# Altium PCB LimeSDR_1v2s.PcbDoc (part 8 of 9) (continued)
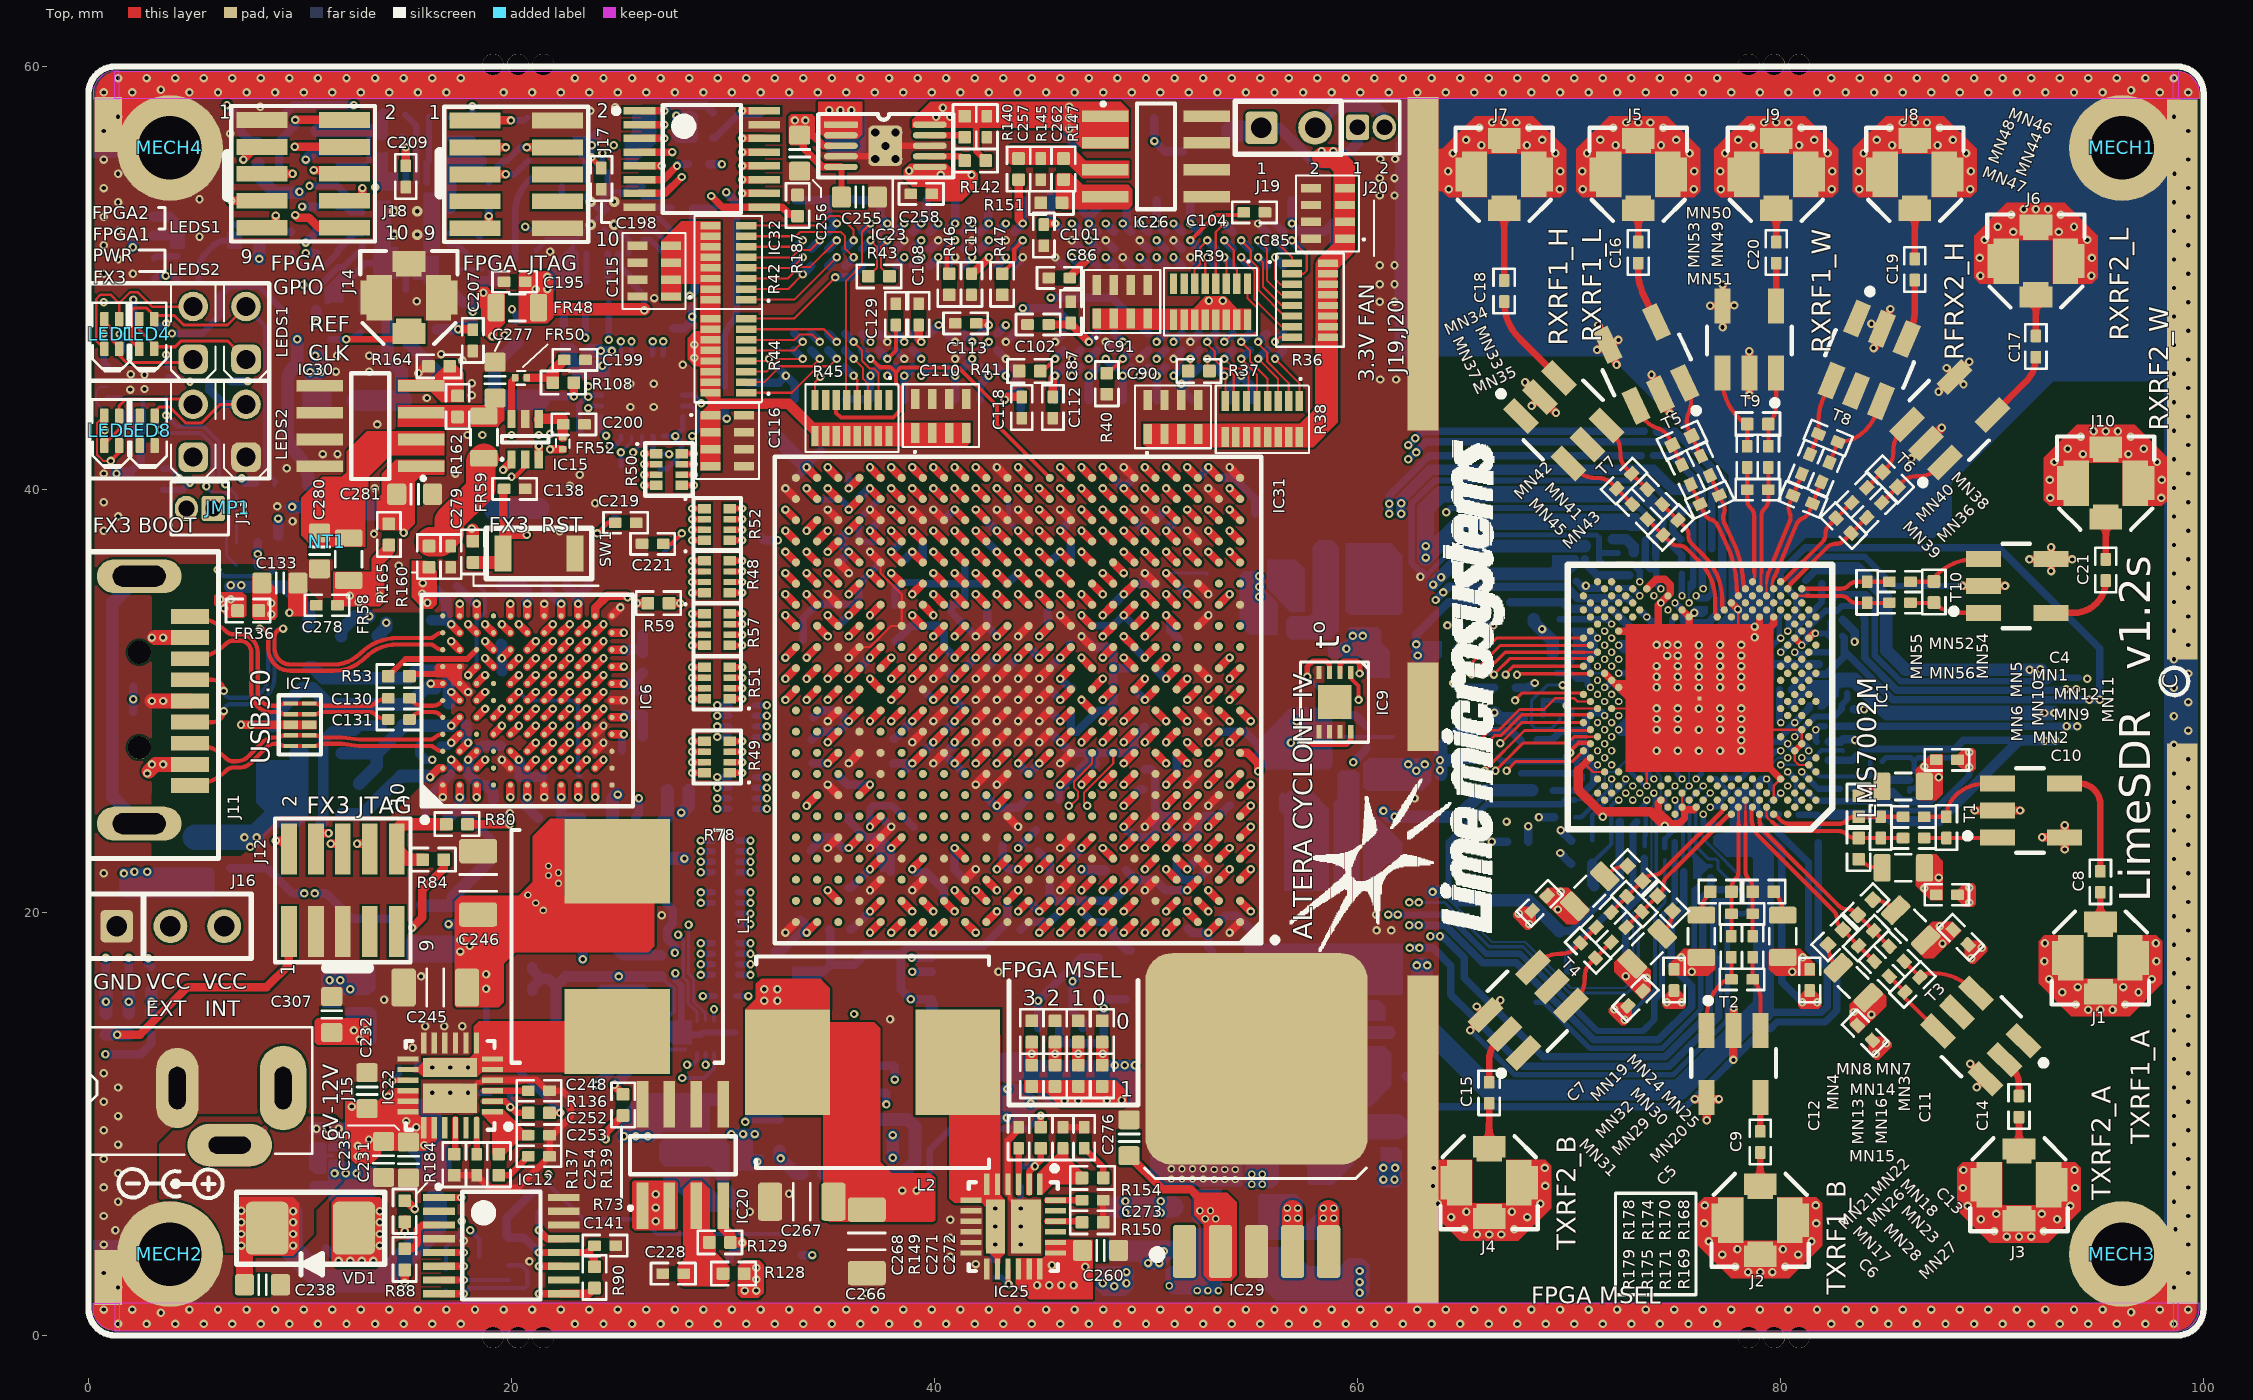
[diagram p0: Top view]
## Nets (pads, with @x,y where several pads share a name; then routed paths per layer and width w, separated by ;. In a path a pad name is that pad's centre, name@x,y a point inside that pad or via, vN(x,y) a via of type N, cw(c..) or ccw(c..) an arc to the next point about the centre after c; other vN are vias at no path point) (continued)
copper on no net: | length 13638.3
  Top w0.025: 122.19,-10.148 188.4,56.062 ; 122.19,-8.624 186.876,56.062 ; 122.19,-7.1 185.352,56.062 ; 122.19,-5.576 183.828,56.062 ; 122.19,-4.052 182.304,56.062 ; 122.19,-2.528 180.78,56.062 ; 122.19,-1.004 179.256,56.062 ; 122.19,0.52 177.732,56.062 ; 122.19,2.044 176.208,56.062 ; 122.19,3.568 174.684,56.062 ; 122.19,5.092 173.16,56.062 ; 122.19,6.616 171.636,56.062 ; 122.19,8.14 170.112,56.062 ; 122.19,9.664 168.588,56.062 ; 122.19,11.188 167.064,56.062 ; 122.19,12.712 165.54,56.062 ; 122.19,14.236 164.016,56.062 ; 122.19,15.76 162.492,56.062 ; 122.19,17.284 160.968,56.062 ; 122.19,18.808 159.444,56.062 ; 122.19,20.332 157.92,56.062 ; 122.19,21.856 156.396,56.062 ; 122.19,23.38 154.872,56.062 ; 122.19,24.904 153.348,56.062 ; 122.19,26.428 151.824,56.062 ; 122.19,27.952 150.3,56.062 ; 122.19,29.476 148.776,56.062 ; 122.19,31 147.252,56.062 ; 122.19,32.524 145.728,56.062 ; 122.19,34.048 144.204,56.062 ; 122.19,35.572 142.68,56.062 ; 122.19,37.096 141.156,56.062 ; 122.19,38.62 139.632,56.062 ; 122.19,40.144 138.108,56.062 ; 122.19,41.668 136.584,56.062 ; 122.19,43.192 135.06,56.062 ; 122.19,44.716 133.536,56.062 ; 122.19,46.24 132.012,56.062 ; 122.19,47.764 130.488,56.062 ; 122.19,49.288 128.964,56.062 ; 122.19,50.812 127.44,56.062 ; 122.19,52.336 125.916,56.062 ; 122.19,53.86 124.392,56.062 ; 122.366,-11.496 189.924,56.062 ; 123.213,-12.173 191.448,56.062 ; 124.687,-12.223 192.972,56.062 ; 126.211,-12.223 194.496,56.062 ; 127.735,-12.223 196.02,56.062 ; 129.259,-12.223 197.544,56.062 ; 130.783,-12.223 199.068,56.062 ; 132.307,-12.223 200.592,56.062 ; 133.831,-12.223 202.116,56.062 ; 135.355,-12.223 203.64,56.062 ; 136.879,-12.223 205.164,56.062 ; 138.403,-12.223 206.688,56.062 ; 139.927,-12.223 208.212,56.062 ; 141.451,-12.223 209.736,56.062 ; 142.975,-12.223 211.26,56.062 ; 144.499,-12.223 212.784,56.062 ; 146.023,-12.223 214.308,56.062 ; 147.547,-12.223 215.832,56.062 ; 149.071,-12.223 217.356,56.062 ; 150.595,-12.223 218.88,56.062 ; 152.119,-12.223 220.404,56.062 ; 153.643,-12.223 221.928,56.062 ; 155.167,-12.223 223.452,56.062 ; 156.691,-12.223 224.976,56.062 ; 158.215,-12.223 226.5,56.062 ; 159.739,-12.223 228.024,56.062 ; 161.263,-12.223 229.548,56.062 ; 162.787,-12.223 231.072,56.062 ; 164.311,-12.223 232.596,56.062 ; 165.835,-12.223 234.12,56.062 ; 167.359,-12.223 235.367,55.785 ; 168.883,-12.223 235.938,54.831 ; 170.407,-12.223 235.953,53.322 ; 171.931,-12.223 235.953,51.798 ; 173.455,-12.223 235.953,50.274 ; 174.979,-12.223 235.953,48.75 ; 176.503,-12.223 235.953,47.226 ; 178.027,-12.223 235.953,45.702 ; 179.551,-12.223 235.953,44.178 ; 181.075,-12.223 235.953,42.654 ; 182.599,-12.223 235.953,41.13 ; 184.123,-12.223 235.953,39.606 ; 185.647,-12.223 235.953,38.082 ; 187.171,-12.223 235.953,36.558 ; 188.695,-12.223 235.953,35.034 ; 190.219,-12.223 235.953,33.51 ; 191.743,-12.223 235.953,31.986 ; 193.267,-12.223 235.953,30.462 ; 194.791,-12.223 235.953,28.938 ; 196.315,-12.223 235.953,27.414 ; 197.839,-12.223 235.953,25.89 ; 199.363,-12.223 235.953,24.366 ; 200.887,-12.223 235.953,22.842 ; 202.411,-12.223 235.953,21.318 ; 203.935,-12.223 235.953,19.794 ; 205.459,-12.223 235.953,18.27 ; 206.983,-12.223 235.953,16.746 ; 207.513,57.326 210.045,59.858 213.093,62.906 216.141,65.954 219.189,69.002 222.237,72.05 225.285,75.098 228.333,78.146 231.381,81.194 234.429,84.242 235.953,85.766 ; 207.513,58.85 208.521,59.858 211.569,62.906 214.617,65.954 217.665,69.002 220.713,72.05 223.761,75.098 226.809,78.146 229.857,81.194 232.905,84.242 235.953,87.29 ; 207.513,60.374 210.045,62.906 213.093,65.954 216.141,69.002 219.189,72.05 222.237,75.098 225.285,78.146 228.333,81.194 231.381,84.242 234.429,87.29 235.953,88.814 ; 207.513,61.898 208.521,62.906 211.569,65.954 214.617,69.002 217.665,72.05 220.713,75.098 223.761,78.146 226.809,81.194 229.857,84.242 232.905,87.29 235.953,90.338 ; 207.513,63.422 210.045,65.954 213.093,69.002 216.141,72.05 219.189,75.098 222.237,78.146 225.285,81.194 228.333,84.242 231.381,87.29 234.429,90.338 235.953,91.862 ; 207.513,64.946 208.521,65.954 211.569,69.002 214.617,72.05 217.665,75.098 220.713,78.146 223.761,81.194 226.809,84.242 229.857,87.29 232.905,90.338 235.953,93.386 ; 207.513,66.47 210.045,69.002 213.093,72.05 216.141,75.098 219.189,78.146 222.237,81.194 225.285,84.242 228.333,87.29 231.381,90.338 234.429,93.386 235.953,94.91 ; 207.513,67.994 208.521,69.002 211.569,72.05 214.617,75.098 217.665,78.146 220.713,81.194 223.761,84.242 226.809,87.29 229.857,90.338 232.905,93.386 235.953,96.434 ; 207.513,69.518 210.045,72.05 213.093,75.098 216.141,78.146 219.189,81.194 222.237,84.242 225.285,87.29 228.333,90.338 231.381,93.386 234.429,96.434 235.953,97.958 ; 207.513,71.042 208.521,72.05 211.569,75.098 214.617,78.146 217.665,81.194 220.713,84.242 223.761,87.29 226.809,90.338 229.857,93.386 232.905,96.434 235.953,99.482 ; 207.513,72.566 210.045,75.098 213.093,78.146 216.141,81.194 219.189,84.242 222.237,87.29 225.285,90.338 228.333,93.386 231.381,96.434 234.429,99.482 235.953,101.006 ; 207.513,74.09 208.521,75.098 211.569,78.146 214.617,81.194 217.665,84.242 220.713,87.29 223.761,90.338 226.809,93.386 229.857,96.434 232.905,99.482 235.953,102.53 ; 207.513,75.614 210.045,78.146 213.093,81.194 216.141,84.242 219.189,87.29 222.237,90.338 225.285,93.386 228.333,96.434 231.381,99.482 234.429,102.53 235.953,104.054 ; 207.513,77.138 208.521,78.146 211.569,81.194 214.617,84.242 217.665,87.29 220.713,90.338 223.761,93.386 226.809,96.434 229.857,99.482 232.905,102.53 235.953,105.578 ; 207.513,78.662 210.045,81.194 213.093,84.242 216.141,87.29 219.189,90.338 222.237,93.386 225.285,96.434 228.333,99.482 231.381,102.53 234.429,105.578 235.953,107.102 ; 207.513,80.186 208.521,81.194 211.569,84.242 214.617,87.29 217.665,90.338 220.713,93.386 223.761,96.434 226.809,99.482 229.857,102.53 232.905,105.578 235.953,108.626 ; 207.513,81.71 210.045,84.242 213.093,87.29 216.141,90.338 219.189,93.386 222.237,96.434 225.285,99.482 228.333,102.53 231.381,105.578 234.429,108.626 235.953,110.15 ; 207.513,83.234 208.521,84.242 211.569,87.29 214.617,90.338 217.665,93.386 220.713,96.434 223.761,99.482 226.809,102.53 229.857,105.578 232.905,108.626 235.953,111.674 ; 207.513,84.758 210.045,87.29 213.093,90.338 216.141,93.386 219.189,96.434 222.237,99.482 225.285,102.53 228.333,105.578 231.381,108.626 234.429,111.674 235.953,113.198 ; 207.513,86.282 208.521,87.29 211.569,90.338 214.617,93.386 217.665,96.434 220.713,99.482 223.761,102.53 226.809,105.578 229.857,108.626 232.905,111.674 235.953,114.722 ; 207.513,87.806 210.045,90.338 213.093,93.386 216.141,96.434 219.189,99.482 222.237,102.53 225.285,105.578 228.333,108.626 231.381,111.674 234.429,114.722 235.953,116.246 ; 207.513,89.33 208.521,90.338 211.569,93.386 214.617,96.434 217.665,99.482 220.713,102.53 223.761,105.578 226.809,108.626 229.857,111.674 232.905,114.722 235.953,117.77 ; 207.513,90.854 210.045,93.386 213.093,96.434 216.141,99.482 219.189,102.53 222.237,105.578 225.285,108.626 228.333,111.674 231.381,114.722 234.429,117.77 235.953,119.294 ; 207.513,92.378 208.521,93.386 211.569,96.434 214.617,99.482 217.665,102.53 220.713,105.578 223.761,108.626 226.809,111.674 229.857,114.722 232.905,117.77 235.953,120.818 ; 207.513,93.902 210.045,96.434 213.093,99.482 216.141,102.53 219.189,105.578 222.237,108.626 225.285,111.674 228.333,114.722 231.381,117.77 234.429,120.818 235.953,122.342 ; 207.513,95.426 208.521,96.434 211.569,99.482 214.617,102.53 217.665,105.578 220.713,108.626 223.761,111.674 226.809,114.722 229.857,117.77 232.905,120.818 235.953,123.866 ; 207.513,96.95 210.045,99.482 213.093,102.53 216.141,105.578 219.189,108.626 222.237,111.674 225.285,114.722 228.333,117.77 231.381,120.818 234.429,123.866 235.953,125.39 ; 207.513,98.474 208.521,99.482 211.569,102.53 214.617,105.578 217.665,108.626 220.713,111.674 223.761,114.722 226.809,117.77 229.857,120.818 232.905,123.866 235.953,126.914 ; 207.513,99.998 210.045,102.53 213.093,105.578 216.141,108.626 219.189,111.674 222.237,114.722 225.285,117.77 228.333,120.818 231.381,123.866 234.429,126.914 235.953,128.438 ; 207.513,101.522 208.521,102.53 211.569,105.578 214.617,108.626 217.665,111.674 220.713,114.722 223.761,117.77 226.809,120.818 229.857,123.866 232.905,126.914 235.953,129.962 ; 207.513,103.046 210.045,105.578 213.093,108.626 216.141,111.674 219.189,114.722 222.237,117.77 225.285,120.818 228.333,123.866 231.381,126.914 234.429,129.962 235.953,131.486 ; 207.513,104.57 208.521,105.578 211.569,108.626 214.617,111.674 217.665,114.722 220.713,117.77 223.761,120.818 226.809,123.866 229.857,126.914 232.905,129.962 235.953,133.01 ; 207.513,106.094 210.045,108.626 213.093,111.674 216.141,114.722 219.189,117.77 222.237,120.818 225.285,123.866 228.333,126.914 231.381,129.962 234.429,133.01 235.953,134.534 ; 207.513,107.618 208.521,108.626 211.569,111.674 214.617,114.722 217.665,117.77 220.713,120.818 223.761,123.866 226.809,126.914 229.857,129.962 232.905,133.01 235.953,136.058 ; 207.513,109.142 210.045,111.674 213.093,114.722 216.141,117.77 219.189,120.818 222.237,123.866 225.285,126.914 228.333,129.962 231.381,133.01 234.429,136.058 235.953,137.582 ; 207.513,110.666 208.521,111.674 211.569,114.722 214.617,117.77 217.665,120.818 220.713,123.866 223.761,126.914 226.809,129.962 229.857,133.01 232.905,136.058 235.953,139.106 ; 207.513,112.19 210.045,114.722 213.093,117.77 216.141,120.818 219.189,123.866 222.237,126.914 225.285,129.962 228.333,133.01 231.381,136.058 234.429,139.106 ; 207.513,113.714 208.521,114.722 211.569,117.77 214.617,120.818 217.665,123.866 220.713,126.914 223.761,129.962 226.809,133.01 229.857,136.058 232.905,139.106 ; 207.513,115.238 210.045,117.77 213.093,120.818 216.141,123.866 219.189,126.914 222.237,129.962 225.285,133.01 228.333,136.058 231.381,139.106 ; 207.513,116.762 208.521,117.77 211.569,120.818 214.617,123.866 217.665,126.914 220.713,129.962 223.761,133.01 226.809,136.058 229.857,139.106 ; 207.513,118.286 210.045,120.818 213.093,123.866 216.141,126.914 219.189,129.962 222.237,133.01 225.285,136.058 228.333,139.106 ; 207.513,119.81 208.521,120.818 211.569,123.866 214.617,126.914 217.665,129.962 220.713,133.01 223.761,136.058 226.809,139.106 ; 207.513,121.334 210.045,123.866 213.093,126.914 216.141,129.962 219.189,133.01 222.237,136.058 225.285,139.106 ; 207.513,122.858 208.521,123.866 211.569,126.914 214.617,129.962 217.665,133.01 220.713,136.058 223.761,139.106 ; 207.513,124.382 210.045,126.914 213.093,129.962 216.141,133.01 219.189,136.058 222.237,139.106 ; 207.513,125.906 208.521,126.914 211.569,129.962 214.617,133.01 217.665,136.058 220.713,139.106 ; 207.513,127.43 210.045,129.962 213.093,133.01 216.141,136.058 219.189,139.106 ; 207.513,128.954 208.521,129.962 211.569,133.01 214.617,136.058 217.665,139.106 ; 207.513,130.478 210.045,133.01 213.093,136.058 216.141,139.106 ; 207.513,132.002 208.521,133.01 211.569,136.058 214.617,139.106 ; 207.513,133.526 210.045,136.058 213.093,139.106 ; 207.513,135.05 208.521,136.058 211.569,139.106 ; 207.513,136.574 210.045,139.106 ; 207.513,138.098 208.521,139.106 ; 208.507,-12.223 235.953,15.222 ; 208.521,56.81 211.569,59.858 214.617,62.906 217.665,65.954 220.713,69.002 223.761,72.05 226.809,75.098 229.857,78.146 232.905,81.194 235.953,84.242 ; 210.031,-12.223 235.953,13.698 ; 210.045,56.81 213.093,59.858 216.141,62.906 219.189,65.954 222.237,69.002 225.285,72.05 228.333,75.098 231.381,78.146 234.429,81.194 235.953,82.718 ; 211.555,-12.223 235.953,12.174 ; 211.569,56.81 214.617,59.858 217.665,62.906 220.713,65.954 223.761,69.002 226.809,72.05 229.857,75.098 232.905,78.146 235.953,81.194 ; 213.079,-12.223 235.953,10.65 ; 213.093,56.81 216.141,59.858 219.189,62.906 222.237,65.954 225.285,69.002 228.333,72.05 231.381,75.098 234.429,78.146 235.953,79.67 ; 214.603,-12.223 235.953,9.126 ; 214.617,56.81 217.665,59.858 220.713,62.906 223.761,65.954 226.809,69.002 229.857,72.05 232.905,75.098 235.953,78.146 ; 216.127,-12.223 235.953,7.602 ; 216.141,56.81 219.189,59.858 222.237,62.906 225.285,65.954 228.333,69.002 231.381,72.05 234.429,75.098 235.953,76.622 ; 217.651,-12.223 235.953,6.078 ; 217.665,56.81 220.713,59.858 223.761,62.906 226.809,65.954 229.857,69.002 232.905,72.05 235.953,75.098 ; 219.175,-12.223 235.953,4.554 ; 219.189,56.81 222.237,59.858 225.285,62.906 228.333,65.954 231.381,69.002 234.429,72.05 235.953,73.574 ; 220.699,-12.223 235.953,3.03 ; 220.713,56.81 223.761,59.858 226.809,62.906 229.857,65.954 232.905,69.002 235.953,72.05 ; 222.223,-12.223 235.953,1.506 ; 222.237,56.81 225.285,59.858 228.333,62.906 231.381,65.954 234.429,69.002 235.953,70.526 ; 223.747,-12.223 235.953,-0.018 ; 223.761,56.81 226.809,59.858 229.857,62.906 232.905,65.954 235.953,69.002 ; 225.271,-12.223 235.953,-1.542 ; 225.285,56.81 228.333,59.858 231.381,62.906 234.429,65.954 235.953,67.478 ; 226.795,-12.223 235.953,-3.066 ; 226.809,56.81 229.857,59.858 232.905,62.906 235.953,65.954 ; 228.319,-12.223 235.953,-4.59 ; 228.333,56.81 231.381,59.858 234.429,62.906 235.953,64.43 ; 229.843,-12.223 235.953,-6.114 ; 229.857,56.81 232.905,59.858 235.953,62.906 ; 231.367,-12.223 235.953,-7.638 ; 231.381,56.81 234.429,59.858 235.953,61.382 ; 232.891,-12.223 235.953,-9.162 ; 232.905,56.81 235.953,59.858 ; 234.415,-12.223 235.953,-10.686 ; 234.429,56.81 235.953,58.334
  Top w0.381: 122.19,59.858 132.602,59.858 154.694,59.858 176.532,59.858 193.038,59.858 207.513,59.858 235.953,59.858 ; 122.19,62.906 132.602,62.906 154.694,62.906 176.532,62.906 193.038,62.906 207.513,62.906 235.953,62.906 ; 122.19,65.954 132.602,65.954 154.694,65.954 176.532,65.954 193.038,65.954 207.513,65.954 235.953,65.954 ; 122.19,69.002 132.602,69.002 154.694,69.002 176.532,69.002 193.038,69.002 207.513,69.002 235.953,69.002 ; 122.19,72.05 132.602,72.05 154.694,72.05 176.532,72.05 193.038,72.05 207.513,72.05 235.953,72.05 ; 122.19,75.098 132.602,75.098 154.694,75.098 176.532,75.098 193.038,75.098 207.513,75.098 235.953,75.098 ; 122.19,78.146 132.602,78.146 154.694,78.146 176.532,78.146 193.038,78.146 207.513,78.146 235.953,78.146 ; 122.19,81.194 132.602,81.194 154.694,81.194 176.532,81.194 193.038,81.194 207.513,81.194 235.953,81.194 ; 122.19,84.242 132.602,84.242 154.694,84.242 176.532,84.242 193.038,84.242 207.513,84.242 235.953,84.242 ; 122.19,87.29 132.602,87.29 154.694,87.29 176.532,87.29 193.038,87.29 207.513,87.29 235.953,87.29 ; 122.19,90.338 132.602,90.338 154.694,90.338 176.532,90.338 193.038,90.338 207.513,90.338 235.953,90.338 ; 122.19,93.386 132.602,93.386 154.694,93.386 176.532,93.386 193.038,93.386 207.513,93.386 235.953,93.386 ; 122.19,96.434 132.602,96.434 154.694,96.434 176.532,96.434 193.038,96.434 207.513,96.434 235.953,96.434 ; 122.19,99.482 132.602,99.482 154.694,99.482 176.532,99.482 193.038,99.482 207.513,99.482 235.953,99.482 ; 122.19,102.53 132.602,102.53 154.694,102.53 176.532,102.53 193.038,102.53 207.513,102.53 235.953,102.53 ; 122.19,105.578 132.602,105.578 154.694,105.578 176.532,105.578 193.038,105.578 207.513,105.578 235.953,105.578 ; 122.19,108.626 132.602,108.626 154.694,108.626 176.532,108.626 193.038,108.626 207.513,108.626 235.953,108.626 ; 122.19,111.674 132.602,111.674 154.694,111.674 176.532,111.674 193.038,111.674 207.513,111.674 235.953,111.674 ; 122.19,114.722 132.602,114.722 154.694,114.722 176.532,114.722 193.038,114.722 207.513,114.722 235.953,114.722 ; 122.19,117.77 132.602,117.77 154.694,117.77 176.532,117.77 193.038,117.77 207.513,117.77 235.953,117.77 ; 122.19,120.818 132.602,120.818 154.694,120.818 176.532,120.818 193.038,120.818 207.513,120.818 235.953,120.818 ; 122.19,123.866 132.602,123.866 154.694,123.866 176.532,123.866 193.038,123.866 207.513,123.866 235.953,123.866 ; 122.19,126.914 132.602,126.914 154.694,126.914 176.532,126.914 193.038,126.914 207.513,126.914 235.953,126.914 ; 122.19,129.962 132.602,129.962 154.694,129.962 176.532,129.962 193.038,129.962 207.513,129.962 235.953,129.962 ; 122.19,133.01 132.602,133.01 154.694,133.01 176.532,133.01 193.038,133.01 207.513,133.01 235.953,133.01 ; 122.19,136.058 132.602,136.058 154.694,136.058 176.532,136.058 193.038,136.058 207.513,136.058 235.953,136.058 ; 122.19,139.106 235.953,139.106 ; 132.602,142.154 132.602,56.81 ; 154.694,142.154 154.694,56.81 ; 176.532,142.154 176.532,56.81 ; 193.038,142.154 193.038,56.81 ; 207.513,142.154 207.513,56.81 ; 132.602,56.81 154.694,56.81 ; 132.602,56.81 122.19,56.81 122.19,142.154 235.953,142.154 235.953,56.81 207.513,56.81 ; 154.694,56.81 176.532,56.81 ; 176.532,56.81 193.038,56.81 ; 193.038,56.81 207.513,56.81 ; 122.19,-10.859 122.19,-10.765 122.19,54.603 122.19,54.698 122.228,54.98 122.373,55.332 122.605,55.633 122.907,55.865 123.258,56.011 123.541,56.048 123.635,56.048 234.508,56.048 234.603,56.048 234.885,56.011 235.236,55.865 235.538,55.633 235.77,55.332 235.915,54.98 235.953,54.698 235.953,54.603 235.953,-10.765 235.953,-10.859 235.915,-11.142 235.77,-11.493 235.538,-11.795 235.236,-12.027 234.885,-12.172 234.603,-12.21 234.508,-12.21 123.635,-12.21 123.541,-12.21 123.258,-12.172 122.907,-12.027 122.605,-11.795 122.373,-11.493 122.228,-11.142 122.19,-10.859
  Bottom w0.2: 17.675,50.4 18.65,50.4
  Bottom w0.4: 56.1,52.575 56.5,52.175

## Polygon pours and split planes (outlines as drawn)
GND on L8 "GND_L08_P031" (solid, remove dead copper, pour order 31): 0,1.27 0,58.73 cw(c1.27,58.73) 1.27,60 98.73,60 cw(c98.73,58.73) 100,58.73 100,1.27 cw(c98.73,1.27) 98.73,0 1.27,0 cw(c1.27,1.27)
VCC1P8_LMS on L8 "VCC1P8_LMS_L6" (solid, remove dead copper, pour order 11): 60.675,5.2 60.675,17.625 64.875,21.825 82.475,21.825 85.8,25.15 85.8,25.925 85.8,27.2 86.75,28.15 86.825,28.225 91.875,28.225 92.075,28.225 93.925,26.375 93.925,9.7 87.9,3.675 62.2,3.675
VCC3P3 on L8 "VCC3P3_L6" (solid, remove dead copper, pour order 1): 22.852,22.375 9.15,22.375 8.7,21.925 8.7,2.325 9.375,1.65 45.35,1.65 58.25,1.65 58.25,17.225 43.925,17.225 40.025,13.325 29.35,13.325 24.425,18.25 24.425,20.85 24.375,20.9
GND on L4 "GND_L04_P027" (solid, remove dead copper, pour order 27): 0,1.27 0,58.73 cw(c1.27,58.73) 1.27,60 98.73,60 cw(c98.73,58.73) 100,58.73 100,1.27 cw(c98.73,1.27) 98.73,0 1.27,0 cw(c1.27,1.27)
VCC5P0_USB on L4 "VCC5P0_USB_L4" (solid, remove dead copper, pour order 2): 7.675,36.725 8.975,35.425 15.75,28.65 15.75,17.35 18.2,14.9 18.2,7.1 17.2,6.1 1.9,6.1 1.125,6.875 1.125,35.5 2.35,36.725
VCC3P3 on L4 "VCC3P3" (solid, remove dead copper, pour order 4): 46.725,58.425 30.45,58.425 30.175,58.15 30.175,57.7 30.45,57.425 31.125,57.425 34.225,54.325 44.325,54.325 46.75,56.75
VCC2P5 on L4 "VCC2P5_L4" (solid, remove dead copper, pour order 5): 30.275,4.9 30.975,5.6 35.075,5.6 41.675,12.2 46.6,12.2 48.775,12.2 49.325,11.65 49.65,11.325 49.65,4.325 49.65,2.5 48.875,1.725 30.75,1.725 30.275,2.2
GND on L3 "GND_L03_P026" (solid, remove dead copper, pour order 26): 0,1.27 0,58.73 cw(c1.27,58.73) 1.27,60 98.73,60 cw(c98.73,58.73) 100,58.73 100,1.27 cw(c98.73,1.27) 98.73,0 1.27,0 cw(c1.27,1.27)
VCC1P8_LMS on L3 "VDD1P8_LMS_L3nr2" (solid, remove dead copper, pour order 23): 66.925,38.575 66.925,37.075 62.325,32.475 50,32.475 47.675,30.15 39.85,30.15 38.45,31.55 38.45,36.9 36.975,38.375 32.925,38.375 29.125,42.175 29.125,43.475 25.725,46.875 19.65,46.875 19.175,46.875 18.2,47.85 18.2,51.25 18.8,51.85 26.4,51.85 29.7,48.55 31.175,47.075 31.175,45.85 33.625,43.4 35.75,43.4 39.95,43.4 42.675,40.675 42.675,35.8 43.675,34.8 45.225,34.8 52.325,41.9 64.675,41.9 66.925,39.65
VCC3P3_FX3 on L3 "VCC3P3_FX3_L3" (solid, remove dead copper, pour order 16): 16.6,25.175 15.1,26.675 15.1,30.35 15.1,31.875 16.9,33.675 18.125,34.9 19.75,34.9 20.025,34.625 20.025,32.675 18.375,31.025 18.375,30.05 18.375,25.475 18.075,25.175
VCC1P8_DDR2 on L3 "VCC1P8_DDR2" (solid, remove dead copper, pour order 3): 32.65,58.3 31.525,57.175 31.525,46 33.725,43.8 55.575,43.8 57.325,45.55 57.325,51.2 57.325,52.65 55.075,54.9 45.1,54.9 41.7,58.3
VCC_INT on L3 "VCC5P0_L3" (solid, remove dead copper, pour order 6): 12.35,11.825 47.3,11.825 48.475,10.65 48.475,2.9 47.05,1.475 12.475,1.475 12.35,1.6
VCC_INT on L3 "VCC_INT_L3_2" (solid, remove dead copper, pour order 13): 12.35,10.8 12.35,14.825 10.15,17.025 6.125,17.025 4.975,18.175 4.975,22.725 6.35,24.1 14.975,24.1 20.875,18.2 20.875,10.8
VCC_EXT on L3 "VCC_EXT_L3" (solid, remove dead copper, pour order 14): 12.1,4 12.1,9.9 11.65,10.35 4.65,10.35 4.075,9.775 3.35,9.05 3.35,8.175 3.35,5.25 4.625,3.975
VCC1P2 on L10 "VCC1P2_L8" (solid, remove dead copper, pour order 7): 29.575,32.225 48.05,32.225 49.95,30.325 49.95,28.825 35.525,14.4 30.85,14.4 27.55,17.7 27.55,20.55 27.55,30.2
VDD_FX3 on L10 "VDD_FX3_L10" (solid, remove dead copper, pour order 22): 18.3,35.95 24,35.95 26.2,33.75 26.775,33.175 26.775,27.175 26.775,25.95 24.525,23.7 9.675,23.7 6.775,20.8 1.375,20.8 0.306,21.869 0.306,24.381 0.306,29.061 7.195,35.95
VREF_DDR2 on L10 "VREF_DDR2_L8" (solid, remove dead copper, pour order 8): 36.525,56.6 33.875,53.95 33.875,42.775 33.875,38.25 37.325,34.8 55.05,34.8 56.075,35.825 56.85,36.6 56.85,45.575 56.85,52.75 53,56.6
GND on L10 "GND_L10_P033" (solid, remove dead copper, pour order 33): 0,1.27 0,58.73 cw(c1.27,58.73) 1.27,60 98.73,60 cw(c98.73,58.73) 100,58.73 100,1.27 cw(c98.73,1.27) 98.73,0 1.27,0 cw(c1.27,1.27)
VCC1P8_FX3 on L5 "VCC1P8_FX3_L5" (solid, remove dead copper, pour order 19): 23.7,35 23.7,26.925 12.8,16.025 10.25,16.025 10.025,16.25 10.025,18.1 10.025,19.575 12.5,22.05 14.375,23.925 17.15,26.7 17.15,34.475 17.675,35 20.275,35
VDIO_LMS_LMK on L5 "+3.3V_DIG_LMK_L5" (solid, remove dead copper, pour order 18): 27.75,46.475 29.075,47.8 29.075,55.5 27.475,57.1 24.75,57.1 20.925,57.1 19.45,55.625 19.45,48.05 21.025,46.475
VDIO_LMS_FPGA on L5 "VDIO_LMS_FPGA_L5" (solid, remove dead copper, pour order 9): 32.2,26 32.2,18.575 33.575,17.2 37.275,17.2 41.037,13.438 41.037,4.7 42.969,2.769 50.7,2.769 52.95,5.019 52.95,17.2 54.7,18.95 54.7,28.55 53,30.25 36.45,30.25
VCC1P8 on L5 "VCC1P8_L5" (solid, remove dead copper, pour order 10): 36.125,30.625 54.025,30.625 54.575,31.175 54.575,42.125 54.15,42.55 52,44.7 25.6,44.7 24.3,43.4 24.3,26.842 12.225,14.767 12.225,7.75 31.786,7.75 33.1,9.064 33.1,17.1 31.8,18.4 31.8,26.3
GND on L5 "GND_L05_P028" (solid, remove dead copper, pour order 28): 0,1.27 0,58.73 cw(c1.27,58.73) 1.27,60 98.73,60 cw(c98.73,58.73) 100,58.73 100,1.27 cw(c98.73,1.27) 98.73,0 1.27,0 cw(c1.27,1.27)
NetC237_1 on L5 "NETC237_1_L05_P020" (solid, remove dead copper, pour order 20): 14.2,6.25 12.525,6.25 11.3,7.475 11.3,16.05 7.8,19.55 6.7,20.65 3.275,20.65 2.775,20.65 2.4,20.275 1.8,19.675 1.8,9.3 8.375,2.725 13.75,2.725 14.325,3.3 14.325,6.125
GND on Top "GND_L01_P024" (solid, remove dead copper, pour order 24): -0.05,1.27 -0.05,58.73 cw(c1.22,58.73) 1.22,60 98.68,60 cw(c98.68,58.73) 99.95,58.73 99.95,1.27 cw(c98.68,1.27) 98.68,0 1.22,0 cw(c1.22,1.27)
VCC_EXT on Top "VCC_EXT_L3" (solid, remove dead copper, pour order 15): 12.1,9.9 11.65,10.35 4.65,10.35 4.075,9.775 3.35,9.05 3.35,8.175 3.35,5.25 4.65,4 9.65,3.775 10.663,4.787 10.663,5.975 12.1,7.413
GND on L6 "GND_L06_P029" (solid, remove dead copper, pour order 29): 0,1.27 0,58.73 cw(c1.27,58.73) 1.27,60 98.73,60 cw(c98.73,58.73) 100,58.73 100,1.27 cw(c98.73,1.27) 98.73,0 1.27,0 cw(c1.27,1.27)
VCC3P3 on L6 "VCC3P3_L6" (solid, remove dead copper, pour order 21): 54.225,2.05 59.975,2.05 59.975,28.85 60.65,29.525 61.725,30.6 61.725,36.575 59.575,38.725 59.575,50.125 59.575,57.6 58.8,58.375 31.525,58.375 29.8,58.375 29.6,58.175 29.6,45.575 32.925,42.25 48.075,42.25 50.35,39.975 50.35,30.65 50.35,2.85 51.15,2.05
VCC1P8_FX3 on L6 "VCC1P8_FX3_L3" (solid, remove dead copper, pour order 17): 18.675,24.9 18.675,31.125 20.175,32.625 20.175,34.875 20.45,35.15 21.925,35.15 25.575,35.15 25.925,34.8 25.925,32.625 25.35,32.05 25.35,21.35 19.8,15.8 9.575,15.8
FX3_GND on L2 "FX3_GND_L2" (solid, remove dead copper, pour order 0): 1.436,37.175 14.966,37.175 17.55,34.591 17.55,25.459 14.766,22.675 1.411,22.675
GND on L2 "GND_L02_P025" (solid, remove dead copper, pour order 25): 0,1.27 0,58.73 cw(c1.27,58.73) 1.27,60 98.73,60 cw(c98.73,58.73) 100,58.73 100,1.27 cw(c98.73,1.27) 98.73,0 1.27,0 cw(c1.27,1.27)
GND on L7 "GND_L07_P030" (solid, remove dead copper, pour order 30): 0,1.27 0,58.73 cw(c1.27,58.73) 1.27,60 98.73,60 cw(c98.73,58.73) 100,58.73 100,1.27 cw(c98.73,1.27) 98.73,0 1.27,0 cw(c1.27,1.27)
GND on L9 "GND_L09_P032" (solid, remove dead copper, pour order 32): 0,1.27 0,58.73 cw(c1.27,58.73) 1.27,60 98.73,60 cw(c98.73,58.73) 100,58.73 100,1.27 cw(c98.73,1.27) 98.73,0 1.27,0 cw(c1.27,1.27)
GND on L11 "GND_L11_P034" (solid, remove dead copper, pour order 34): 0,1.27 0,58.73 cw(c1.27,58.73) 1.27,60 98.73,60 cw(c98.73,58.73) 100,58.73 100,1.27 cw(c98.73,1.27) 98.73,0 1.27,0 cw(c1.27,1.27)
GND on Bottom "GND_L12_P035" (solid, remove dead copper, pour order 35): 0,1.27 0,58.73 cw(c1.27,58.73) 1.27,60 98.73,60 cw(c98.73,58.73) 100,58.73 100,1.27 cw(c98.73,1.27) 98.73,0 1.27,0 cw(c1.27,1.27)